# Altium PCB STM32F7_CoreBoard.PcbDoc (part 2 of 8)
Units mm, origin at the board's own origin, x right, y up, seen from the top; angles counter-clockwise.
Board outline 65 x 50 mm, 6 copper layers (L1, L2, L3, L4, L5, L6), stack 1.597 mm thick; 114 components, 192 nets, 736 pads, 791 vias.
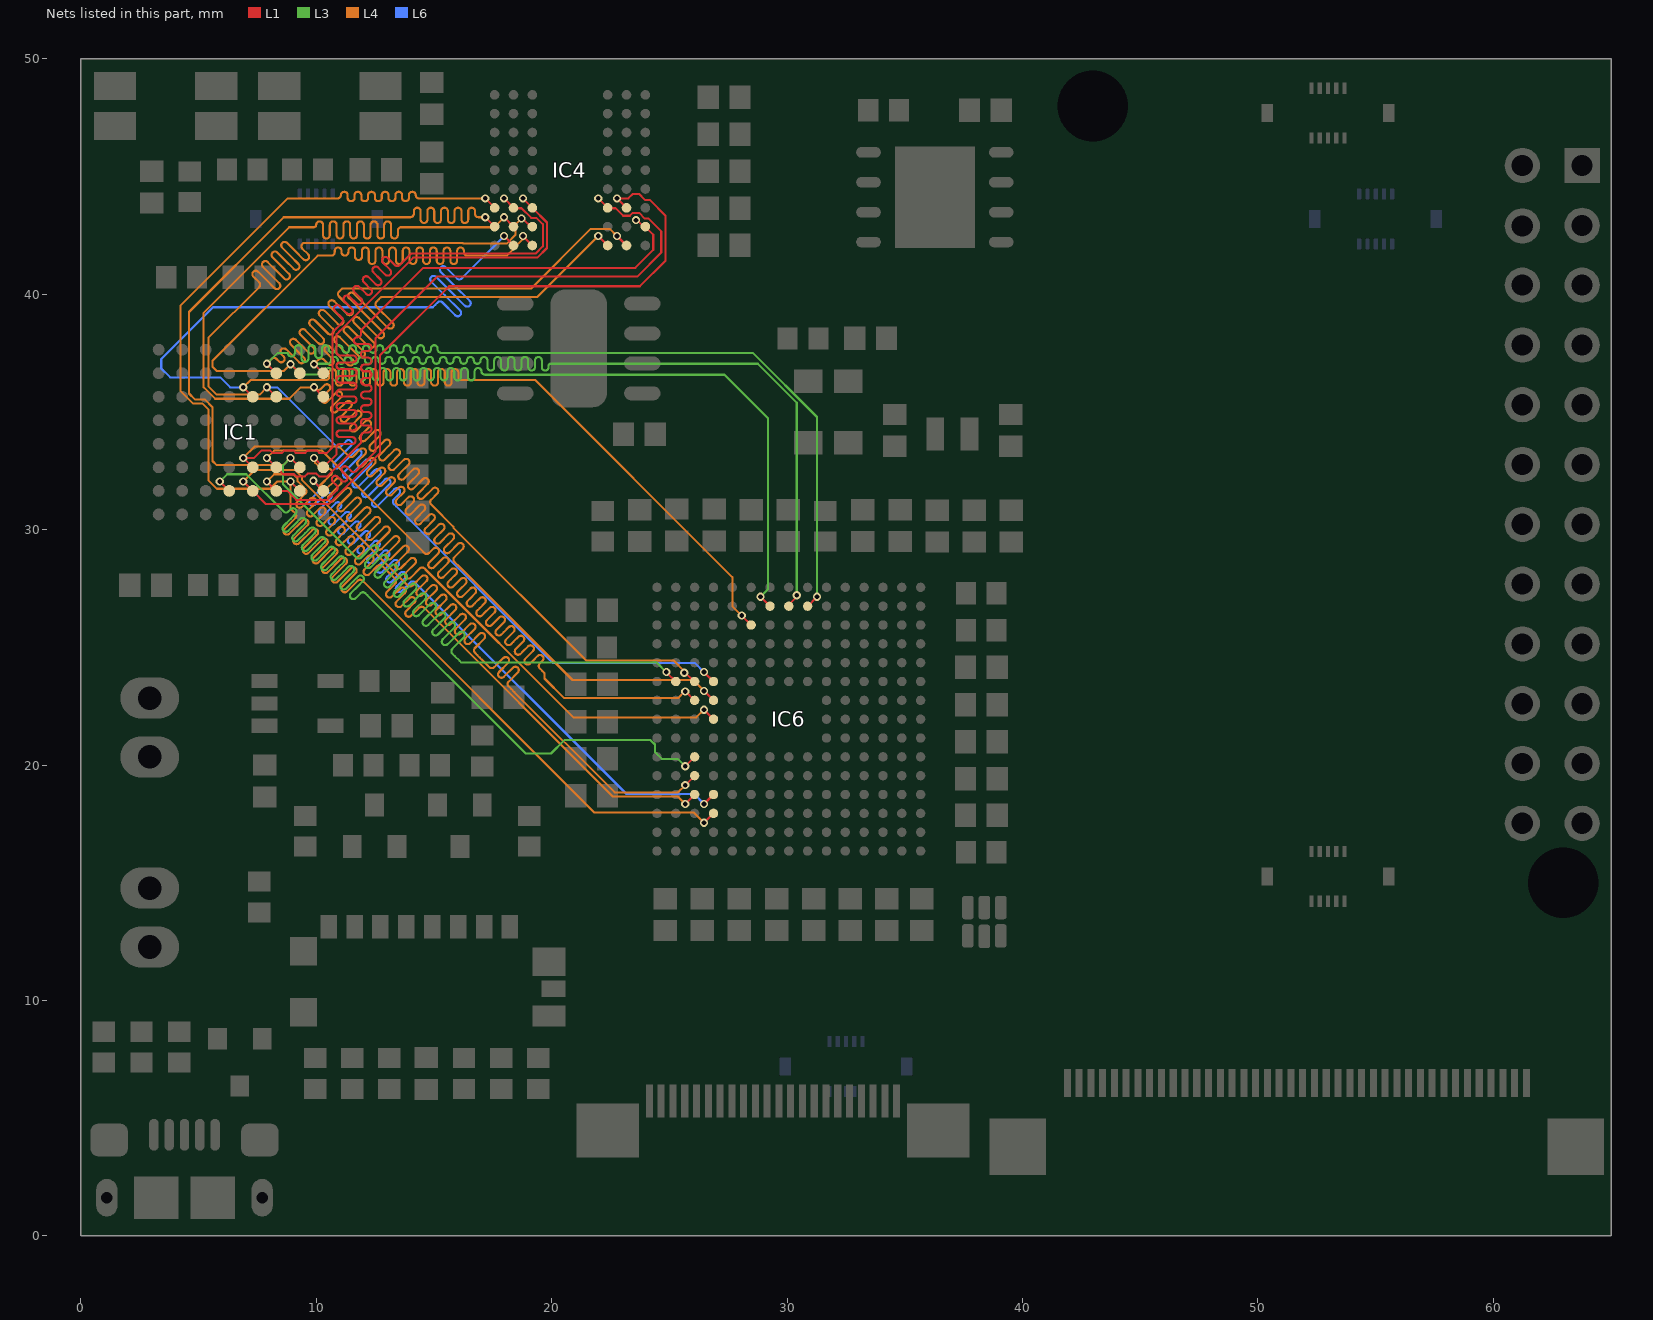
[diagram p6: the nets of this part, all layers, seen from the top]

## Via types
v1: diameter 0.35, hole 0.2, L1 to L6, tented both sides, 737 vias
v2: diameter 0.5, hole 0.25, L1 to L6, tented both sides, 20 vias
v3: diameter 0.4, hole 0.2, L1 to L6, tented both sides, 16 vias
v4: diameter 0.5, hole 0.2, L1 to L6, 12 vias
v5: diameter 0.5, hole 0.5, L1 to L6, 4 vias
v6: diameter 0.6, hole 0.3, L1 to L6, tented both sides, 2 vias

## Nets (pads, with @x,y where several pads share a name; then routed paths per layer and width w, separated by ;. In a path a pad name is that pad's centre, name@x,y a point inside that pad or via, vN(x,y) a via of type N, cw(c..) or ccw(c..) an arc to the next point about the centre after c; other vN are vias at no path point) (continued)
A2: IC1.C2 IC4.J8 IC6.G2 | length 69.2
  L1 w0.089: v1(7.9,37.05) IC1.C2@8.3,36.65 ; v1(22.775,42.475) IC4.J8@23.175,42.075 ; IC6.G2@30.87,26.753 v1(31.27,27.153)
  L3 w0.089: v1(7.9,37.05) 8.365,37.515 8.509,37.515 8.798,37.515 8.798,37.501 ccw(c8.942,37.501) 8.942,37.356 ccw(c8.942,37.501) 9.087,37.501 9.087,37.515 9.087,37.692 cw(c9.231,37.692) 9.231,37.837 cw(c9.231,37.692) 9.376,37.692 9.376,37.515 9.376,37.273 ccw(c9.52,37.273) 9.52,37.128 ccw(c9.52,37.273) 9.665,37.273 9.665,37.515 9.665,37.692 cw(c9.809,37.692) 9.809,37.837 cw(c9.809,37.692) 9.954,37.692 9.954,37.515 9.954,37.434 ccw(c10.098,37.434) 10.098,37.29 ccw(c10.098,37.434) 10.243,37.434 10.243,37.515 10.243,37.692 cw(c10.387,37.692) 10.387,37.837 cw(c10.387,37.692) 10.531,37.692 10.531,37.659 ccw(c10.676,37.659) 10.676,37.515 ccw(c10.676,37.659) 10.82,37.659 10.82,37.692 cw(c10.965,37.692) 10.965,37.837 cw(c10.965,37.692) 11.109,37.692 11.109,37.659 ccw(c11.254,37.659) 11.254,37.515 ccw(c11.254,37.659) 11.398,37.659 11.398,37.692 cw(c11.543,37.692) 11.543,37.837 cw(c11.543,37.692) 11.687,37.692 11.687,37.659 ccw(c11.831,37.659) 11.831,37.515 ccw(c11.831,37.659) 11.976,37.659 11.976,37.692 cw(c12.12,37.692) 12.12,37.837 cw(c12.12,37.692) 12.265,37.692 12.265,37.659 ccw(c12.409,37.659) 12.409,37.515 ccw(c12.409,37.659) 12.554,37.659 12.554,37.692 cw(c12.698,37.692) 12.698,37.837 cw(c12.698,37.692) 12.843,37.692 12.843,37.659 ccw(c12.987,37.659) 12.987,37.515 ccw(c12.987,37.659) 13.132,37.659 13.132,37.692 cw(c13.276,37.692) 13.276,37.837 cw(c13.276,37.692) 13.42,37.692 13.42,37.659 ccw(c13.565,37.659) 13.565,37.515 ccw(c13.565,37.659) 13.709,37.659 13.709,37.692 cw(c13.854,37.692) 13.854,37.837 cw(c13.854,37.692) 13.998,37.692 13.998,37.659 ccw(c14.143,37.659) 14.143,37.515 ccw(c14.143,37.659) 14.287,37.659 14.287,37.692 cw(c14.432,37.692) 14.432,37.837 cw(c14.432,37.692) 14.576,37.692 14.576,37.659 ccw(c14.72,37.659) 14.72,37.515 ccw(c14.72,37.659) 14.865,37.659 14.865,37.692 cw(c15.009,37.692) 15.009,37.837 cw(c15.009,37.692) 15.154,37.692 15.154,37.659 ccw(c15.298,37.659) 15.298,37.515 15.325,37.515 28.543,37.515 31.27,34.788 v1(31.27,27.153)
  L4 w0.089: v1(7.9,37.05) 8.002,37.152 8.104,37.254 cw(c8.206,37.152) 8.309,37.254 8.408,37.155 ccw(c8.51,37.257) 8.613,37.155 ccw(c8.51,37.257) 8.613,37.359 8.513,37.459 cw(c8.615,37.561) 8.513,37.663 cw(c8.615,37.561) 8.717,37.663 9.269,37.111 ccw(c9.371,37.213) 9.473,37.111 ccw(c9.371,37.213) 9.473,37.315 8.921,37.867 cw(c9.024,37.969) 8.921,38.071 cw(c9.024,37.969) 9.126,38.071 9.677,37.52 ccw(c9.78,37.622) 9.882,37.52 ccw(c9.78,37.622) 9.882,37.724 9.33,38.276 cw(c9.432,38.378) 9.33,38.48 cw(c9.432,38.378) 9.534,38.48 10.086,37.928 ccw(c10.188,38.03) 10.29,37.928 ccw(c10.188,38.03) 10.29,38.132 9.739,38.684 cw(c9.841,38.786) 9.739,38.889 cw(c9.841,38.786) 9.943,38.889 10.495,38.337 ccw(c10.597,38.439) 10.699,38.337 ccw(c10.597,38.439) 10.699,38.541 10.147,39.093 cw(c10.249,39.195) 10.147,39.297 cw(c10.249,39.195) 10.351,39.297 10.903,38.745 ccw(c11.005,38.847) 11.107,38.745 ccw(c11.005,38.847) 11.107,38.95 10.556,39.501 cw(c10.658,39.604) 10.556,39.706 cw(c10.658,39.604) 10.76,39.706 11.312,39.154 ccw(c11.414,39.256) 11.516,39.154 ccw(c11.414,39.256) 11.516,39.358 10.964,39.91 cw(c11.066,40.012) 10.964,40.114 11.066,40.216 11.1,40.25 11.244,40.25 11.5,40.25 19.122,40.25 21.656,42.783 22.467,42.783 v1(22.775,42.475)
A3: IC1.A2 IC4.J7 IC6.H2 | length 69.3
  L1 w0.089: v1(9.9,37.027) 9.912,37.027 10.289,36.65 IC1.A2@10.3,36.65 ; v1(21.975,42.475) IC4.J7@22.375,42.075 ; IC6.H2@30.07,26.753 30.07,26.815 30.409,27.153 v1(30.409,27.215)
  L3 w0.089: v1@9.9,37.05 10.044,37.05 10.333,37.05 10.478,37.05 ccw(c10.478,37.194) 10.622,37.194 10.622,37.201 cw(c10.767,37.201) 10.767,37.346 cw(c10.767,37.201) 10.911,37.201 10.911,37.194 ccw(c11.056,37.194) 11.056,37.05 ccw(c11.056,37.194) 11.2,37.194 11.2,37.201 cw(c11.344,37.201) 11.344,37.346 cw(c11.344,37.201) 11.489,37.201 11.489,37.194 ccw(c11.633,37.194) 11.633,37.05 ccw(c11.633,37.194) 11.778,37.194 11.778,37.201 cw(c11.922,37.201) 11.922,37.346 cw(c11.922,37.201) 12.067,37.201 12.067,37.194 ccw(c12.211,37.194) 12.211,37.05 ccw(c12.211,37.194) 12.356,37.194 12.356,37.201 cw(c12.5,37.201) 12.5,37.346 cw(c12.5,37.201) 12.645,37.201 12.645,37.194 ccw(c12.789,37.194) 12.789,37.05 ccw(c12.789,37.194) 12.933,37.194 12.933,37.201 cw(c13.078,37.201) 13.078,37.346 cw(c13.078,37.201) 13.222,37.201 13.222,37.194 ccw(c13.367,37.194) 13.367,37.05 ccw(c13.367,37.194) 13.511,37.194 13.511,37.201 cw(c13.656,37.201) 13.656,37.346 cw(c13.656,37.201) 13.8,37.201 13.8,37.194 ccw(c13.945,37.194) 13.945,37.05 ccw(c13.945,37.194) 14.089,37.194 14.089,37.201 cw(c14.233,37.201) 14.233,37.346 cw(c14.233,37.201) 14.378,37.201 14.378,37.194 ccw(c14.522,37.194) 14.522,37.05 ccw(c14.522,37.194) 14.667,37.194 14.667,37.201 cw(c14.811,37.201) 14.811,37.346 cw(c14.811,37.201) 14.956,37.201 14.956,37.194 ccw(c15.1,37.194) 15.1,37.05 15.102,37.05 ccw(c15.102,37.192) 15.245,37.192 cw(c15.389,37.192) 15.389,37.337 cw(c15.389,37.192) 15.534,37.192 ccw(c15.676,37.192) 15.676,37.05 15.68,37.05 ccw(c15.68,37.192) 15.822,37.192 cw(c15.967,37.192) 15.967,37.337 cw(c15.967,37.192) 16.111,37.192 ccw(c16.254,37.192) 16.254,37.05 16.258,37.05 ccw(c16.258,37.192) 16.4,37.192 cw(c16.545,37.192) 16.545,37.337 cw(c16.545,37.192) 16.689,37.192 ccw(c16.832,37.192) 16.832,37.05 16.836,37.05 ccw(c16.836,37.192) 16.978,37.192 cw(c17.122,37.192) 17.122,37.337 cw(c17.122,37.192) 17.267,37.192 17.267,37.05 17.267,36.908 ccw(c17.411,36.908) 17.411,36.763 ccw(c17.411,36.908) 17.556,36.908 17.556,37.05 17.556,37.192 cw(c17.7,37.192) 17.7,37.337 cw(c17.7,37.192) 17.845,37.192 17.845,37.05 17.845,36.908 ccw(c17.989,36.908) 17.989,36.763 ccw(c17.989,36.908) 18.134,36.908 18.134,37.05 18.134,37.192 cw(c18.278,37.192) 18.278,37.337 cw(c18.278,37.192) 18.423,37.192 18.423,37.05 18.423,36.908 ccw(c18.567,36.908) 18.567,36.763 ccw(c18.567,36.908) 18.711,36.908 18.711,37.05 18.711,37.192 cw(c18.856,37.192) 18.856,37.337 cw(c18.856,37.192) 19,37.192 19,37.05 19,36.908 ccw(c19.145,36.908) 19.145,36.763 ccw(c19.145,36.908) 19.289,36.908 19.289,37.05 19.289,37.192 cw(c19.434,37.192) 19.434,37.337 cw(c19.434,37.192) 19.578,37.192 19.578,37.05 19.578,36.908 ccw(c19.723,36.908) 19.723,36.763 ccw(c19.723,36.908) 19.867,36.908 19.867,36.967 cw(c19.95,36.967) 19.95,37.05 28.757,37.05 30.409,35.398 v1(30.409,27.215)
  L4 w0.089: v1(9.9,37.027) 10.003,37.129 10.105,37.231 cw(c10.207,37.129) 10.309,37.231 10.498,37.042 ccw(c10.6,37.144) 10.702,37.042 ccw(c10.6,37.144) 10.702,37.246 10.411,37.538 10.382,37.567 cw(c10.484,37.669) 10.382,37.771 cw(c10.484,37.669) 10.586,37.771 10.615,37.742 11.342,37.016 ccw(c11.444,37.118) 11.546,37.016 ccw(c11.444,37.118) 11.546,37.22 10.82,37.946 10.79,37.976 cw(c10.892,38.078) 10.79,38.18 cw(c10.892,38.078) 10.994,38.18 11.024,38.15 11.816,37.358 ccw(c11.918,37.46) 12.02,37.358 ccw(c11.918,37.46) 12.02,37.563 11.228,38.355 11.199,38.384 cw(c11.301,38.486) 11.199,38.588 cw(c11.301,38.486) 11.403,38.588 11.433,38.559 12.225,37.767 ccw(c12.327,37.869) 12.429,37.767 ccw(c12.327,37.869) 12.429,37.971 11.637,38.763 11.607,38.793 cw(c11.709,38.895) 11.607,38.997 cw(c11.709,38.895) 11.812,38.997 11.841,38.967 12.633,38.175 ccw(c12.735,38.278) 12.838,38.175 ccw(c12.735,38.278) 12.838,38.38 12.045,39.172 11.392,39.826 cw(c11.494,39.928) 11.392,40.03 cw(c11.494,39.928) 11.596,40.03 12.25,39.376 13.042,38.584 ccw(c13.144,38.686) 13.246,38.584 ccw(c13.144,38.686) 13.246,38.788 12.556,39.478 cw(c12.658,39.58) 12.556,39.682 12.658,39.785 12.762,39.888 12.85,39.888 19.388,39.888 v1(21.975,42.475)
A4: IC1.B2 IC4.J3 IC6.J2 | length 68.8
  L1 w0.089: v1(8.9,37.027) 8.912,37.027 9.289,36.65 IC1.B2@9.3,36.65 ; v1(18.775,42.475) IC4.J3@19.175,42.075 ; v1(28.87,27.153) IC6.J2@29.27,26.753
  L3 w0.089: v1(8.9,37.027) 8.923,37.027 9.35,36.6 10.225,36.6 10.241,36.6 ccw(c10.241,36.728) 10.369,36.728 cw(c10.514,36.728) 10.514,36.873 cw(c10.514,36.728) 10.658,36.728 10.658,36.6 10.658,36.489 ccw(c10.803,36.489) 10.803,36.344 ccw(c10.803,36.489) 10.947,36.489 10.947,36.6 10.947,36.728 cw(c11.092,36.728) 11.092,36.873 cw(c11.092,36.728) 11.236,36.728 11.236,36.6 11.236,36.489 ccw(c11.381,36.489) 11.381,36.344 ccw(c11.381,36.489) 11.525,36.489 11.525,36.6 11.525,36.728 cw(c11.669,36.728) 11.669,36.873 cw(c11.669,36.728) 11.814,36.728 11.814,36.6 11.814,36.489 ccw(c11.958,36.489) 11.958,36.344 ccw(c11.958,36.489) 12.103,36.489 12.103,36.6 12.103,36.728 cw(c12.247,36.728) 12.247,36.873 cw(c12.247,36.728) 12.392,36.728 12.392,36.6 12.392,36.489 ccw(c12.536,36.489) 12.536,36.344 ccw(c12.536,36.489) 12.681,36.489 12.681,36.6 12.681,36.728 cw(c12.825,36.728) 12.825,36.873 cw(c12.825,36.728) 12.97,36.728 12.97,36.6 12.97,36.489 ccw(c13.114,36.489) 13.114,36.344 ccw(c13.114,36.489) 13.258,36.489 13.258,36.6 13.258,36.728 cw(c13.403,36.728) 13.403,36.873 cw(c13.403,36.728) 13.547,36.728 13.547,36.6 13.547,36.489 ccw(c13.692,36.489) 13.692,36.344 ccw(c13.692,36.489) 13.836,36.489 13.836,36.6 13.836,36.728 cw(c13.981,36.728) 13.981,36.873 cw(c13.981,36.728) 14.125,36.728 14.125,36.6 14.125,36.489 ccw(c14.27,36.489) 14.27,36.344 ccw(c14.27,36.489) 14.414,36.489 14.414,36.6 14.414,36.728 cw(c14.558,36.728) 14.558,36.873 cw(c14.558,36.728) 14.703,36.728 14.703,36.6 14.703,36.489 ccw(c14.847,36.489) 14.847,36.344 ccw(c14.847,36.489) 14.992,36.489 14.992,36.6 14.992,36.728 cw(c15.136,36.728) 15.136,36.873 cw(c15.136,36.728) 15.281,36.728 15.281,36.6 15.281,36.489 ccw(c15.425,36.489) 15.425,36.344 ccw(c15.425,36.489) 15.57,36.489 15.57,36.6 15.57,36.728 cw(c15.714,36.728) 15.714,36.873 cw(c15.714,36.728) 15.859,36.728 15.859,36.6 15.859,36.489 ccw(c16.003,36.489) 16.003,36.344 ccw(c16.003,36.489) 16.147,36.489 16.147,36.6 16.147,36.728 cw(c16.292,36.728) 16.292,36.873 cw(c16.292,36.728) 16.436,36.728 16.436,36.6 16.436,36.489 ccw(c16.581,36.489) 16.581,36.344 ccw(c16.581,36.489) 16.725,36.489 16.725,36.6 16.725,36.728 cw(c16.87,36.728) 16.87,36.873 cw(c16.87,36.728) 17.014,36.728 ccw(c17.142,36.728) 17.142,36.6 17.15,36.6 17.165,36.585 27.34,36.585 29.179,34.746 29.179,27.461 v1(28.87,27.153)
  L4 w0.089: v1(8.9,37.027) 8.615,36.742 5.772,36.742 5.592,36.922 5.592,37.178 10.059,41.645 10.203,41.645 10.492,41.645 10.637,41.645 ccw(c10.637,41.789) 10.781,41.789 10.781,41.844 cw(c10.926,41.844) 10.926,41.989 cw(c10.926,41.844) 11.07,41.844 11.07,41.789 ccw(c11.214,41.789) 11.214,41.645 ccw(c11.214,41.789) 11.359,41.789 11.359,41.844 cw(c11.503,41.844) 11.503,41.989 cw(c11.503,41.844) 11.648,41.844 11.648,41.645 11.648,41.6 ccw(c11.792,41.6) 11.792,41.455 ccw(c11.792,41.6) 11.937,41.6 11.937,41.645 11.937,41.844 cw(c12.081,41.844) 12.081,41.989 cw(c12.081,41.844) 12.226,41.844 12.226,41.645 12.226,41.431 ccw(c12.37,41.431) 12.37,41.287 ccw(c12.37,41.431) 12.515,41.431 12.515,41.645 12.515,41.844 cw(c12.659,41.844) 12.659,41.989 cw(c12.659,41.844) 12.803,41.844 12.803,41.645 12.803,41.431 ccw(c12.948,41.431) 12.948,41.287 ccw(c12.948,41.431) 13.092,41.431 13.092,41.645 13.092,41.844 cw(c13.237,41.844) 13.237,41.989 cw(c13.237,41.844) 13.381,41.844 13.381,41.645 13.381,41.431 ccw(c13.526,41.431) 13.526,41.287 ccw(c13.526,41.431) 13.67,41.431 13.67,41.645 13.67,41.844 cw(c13.815,41.844) 13.815,41.989 cw(c13.815,41.844) 13.959,41.844 13.959,41.645 13.959,41.431 ccw(c14.103,41.431) 14.103,41.287 ccw(c14.103,41.431) 14.248,41.431 14.248,41.645 14.248,41.844 cw(c14.392,41.844) 14.392,41.989 cw(c14.392,41.844) 14.537,41.844 14.537,41.645 14.537,41.431 ccw(c14.681,41.431) 14.681,41.287 ccw(c14.681,41.431) 14.826,41.431 14.826,41.645 14.826,41.844 cw(c14.97,41.844) 14.97,41.989 cw(c14.97,41.844) 15.115,41.844 15.115,41.645 15.115,41.431 ccw(c15.259,41.431) 15.259,41.287 ccw(c15.259,41.431) 15.404,41.431 15.404,41.645 15.404,41.844 cw(c15.548,41.844) 15.548,41.989 cw(c15.548,41.844) 15.692,41.844 15.692,41.645 15.692,41.431 ccw(c15.837,41.431) 15.837,41.287 ccw(c15.837,41.431) 15.981,41.431 15.981,41.645 15.981,41.844 cw(c16.126,41.844) 16.126,41.989 cw(c16.126,41.844) 16.27,41.844 16.27,41.789 ccw(c16.415,41.789) 16.415,41.645 16.55,41.645 18.084,41.645 18.775,42.336 v1(18.775,42.475)
A5: IC1.D3 IC4.J2 IC6.K3 | length 67.6
  L1 w0.089: v1(6.9,36.05) IC1.D3@7.3,35.65 ; v1(17.975,42.475) IC4.J2@18.375,42.075 ; v1(28.07,26.353) IC6.K3@28.47,25.953
  L4 w0.089: v1(6.9,36.05) 7.208,36.358 10.4,36.358 ccw(c10.4,36.503) 10.544,36.503 10.544,36.686 cw(c10.689,36.686) 10.689,36.831 cw(c10.689,36.686) 10.833,36.686 10.833,36.358 10.833,36.264 ccw(c10.978,36.264) 10.978,36.119 ccw(c10.978,36.264) 11.122,36.264 11.122,36.358 11.122,36.686 cw(c11.267,36.686) 11.267,36.831 cw(c11.267,36.686) 11.411,36.686 11.411,36.358 11.411,36.264 ccw(c11.556,36.264) 11.556,36.119 ccw(c11.556,36.264) 11.7,36.264 11.7,36.358 11.7,36.686 cw(c11.844,36.686) 11.844,36.831 cw(c11.844,36.686) 11.989,36.686 11.989,36.358 11.989,36.264 ccw(c12.133,36.264) 12.133,36.119 ccw(c12.133,36.264) 12.278,36.264 12.278,36.358 12.278,36.686 cw(c12.422,36.686) 12.422,36.831 cw(c12.422,36.686) 12.567,36.686 12.567,36.358 12.567,36.264 ccw(c12.711,36.264) 12.711,36.119 ccw(c12.711,36.264) 12.856,36.264 12.856,36.358 12.856,36.686 cw(c13,36.686) 13,36.831 cw(c13,36.686) 13.145,36.686 13.145,36.358 13.145,36.264 ccw(c13.289,36.264) 13.289,36.119 ccw(c13.289,36.264) 13.433,36.264 13.433,36.358 13.433,36.686 cw(c13.578,36.686) 13.578,36.831 cw(c13.578,36.686) 13.722,36.686 13.722,36.358 13.722,36.264 ccw(c13.867,36.264) 13.867,36.119 ccw(c13.867,36.264) 14.011,36.264 14.011,36.358 14.011,36.686 cw(c14.156,36.686) 14.156,36.831 cw(c14.156,36.686) 14.3,36.686 14.3,36.358 14.3,36.264 ccw(c14.445,36.264) 14.445,36.119 ccw(c14.445,36.264) 14.589,36.264 14.589,36.358 14.589,36.686 cw(c14.733,36.686) 14.733,36.831 cw(c14.733,36.686) 14.878,36.686 14.878,36.358 14.878,36.264 ccw(c15.022,36.264) 15.022,36.119 ccw(c15.022,36.264) 15.167,36.264 15.167,36.358 15.167,36.686 cw(c15.311,36.686) 15.311,36.831 cw(c15.311,36.686) 15.456,36.686 15.456,36.358 15.456,36.264 ccw(c15.6,36.264) 15.6,36.119 ccw(c15.6,36.264) 15.745,36.264 15.745,36.358 15.745,36.686 cw(c15.889,36.686) 15.889,36.831 cw(c15.889,36.686) 16.034,36.686 16.034,36.425 ccw(c16.1,36.425) 16.1,36.358 19.301,36.358 27.67,27.989 27.67,26.753 v1(28.07,26.353)
  L6 w0.089: v1(6.9,36.05) 6.336,36.05 5.912,36.474 3.788,36.474 3.414,36.849 3.414,37.251 5.612,39.45 14.95,39.45 15.052,39.552 15.154,39.654 cw(c15.256,39.552) 15.359,39.654 15.903,39.11 ccw(c16.005,39.212) 16.107,39.11 ccw(c16.005,39.212) 16.107,39.314 15.461,39.961 14.882,40.54 cw(c14.984,40.642) 14.882,40.744 cw(c14.984,40.642) 15.086,40.744 15.665,40.165 16.311,39.519 ccw(c16.413,39.621) 16.516,39.519 ccw(c16.413,39.621) 16.516,39.723 15.869,40.369 15.29,40.948 cw(c15.392,41.05) 15.29,41.152 cw(c15.392,41.05) 15.495,41.152 15.971,40.676 ccw(c16.074,40.778) 16.176,40.676 16.2,40.7 v1(17.975,42.475)
A6: IC1.C3 IC4.H3 IC6.M6 | length 67.6
  L1 w0.089: v1(7.9,36.05) IC1.C3@8.3,35.65 ; v1(18.718,43.218) 18.775,43.218 19.118,42.875 IC4.H3@19.175,42.875 ; v1(26.47,23.953) IC6.M6@26.87,23.553
  L4 w0.089: v1(7.9,36.05) 7.592,35.742 5.772,35.742 5.414,36.1 5.414,38.15 7.569,40.306 ccw(c7.467,40.408) 7.569,40.51 7.323,40.756 cw(c7.425,40.858) 7.323,40.96 cw(c7.425,40.858) 7.528,40.96 7.876,40.612 8.223,40.265 ccw(c8.325,40.367) 8.427,40.265 ccw(c8.325,40.367) 8.427,40.469 8.08,40.816 7.732,41.165 cw(c7.834,41.267) 7.732,41.369 cw(c7.834,41.267) 7.936,41.369 8.284,41.021 8.632,40.673 ccw(c8.734,40.776) 8.836,40.673 ccw(c8.734,40.776) 8.836,40.878 8.489,41.225 8.14,41.573 cw(c8.242,41.675) 8.14,41.777 cw(c8.242,41.675) 8.345,41.777 8.693,41.429 9.04,41.082 ccw(c9.142,41.184) 9.244,41.082 ccw(c9.142,41.184) 9.244,41.286 8.897,41.633 8.549,41.982 cw(c8.651,42.084) 8.549,42.186 cw(c8.651,42.084) 8.753,42.186 9.102,41.838 9.449,41.49 ccw(c9.551,41.593) 9.653,41.49 ccw(c9.551,41.593) 9.653,41.695 9.408,41.94 cw(c9.51,42.042) 9.408,42.144 9.445,42.181 10.926,42.181 10.926,42.173 11.415,42.173 11.424,42.181 11.503,42.181 11.503,42.173 11.993,42.173 12.001,42.181 12.081,42.181 12.081,42.173 12.659,42.173 12.659,42.181 13.237,42.181 13.237,42.173 13.727,42.173 13.735,42.181 13.815,42.181 13.815,42.173 14.304,42.173 14.313,42.181 14.392,42.181 14.392,42.173 14.882,42.173 14.89,42.181 14.97,42.181 14.97,42.173 15.46,42.173 15.468,42.181 15.548,42.181 15.548,42.173 16.038,42.173 16.046,42.181 16.126,42.181 16.126,42.173 16.226,42.173 16.233,42.167 18.103,42.167 18.456,42.52 18.456,42.956 v1(18.718,43.218)
  L6 w0.089: v1(7.9,36.05) 8.336,36.05 10.843,33.543 ccw(c10.945,33.645) 11.047,33.543 11.269,33.764 cw(c11.371,33.662) 11.473,33.764 cw(c11.371,33.662) 11.473,33.56 11.149,33.237 10.766,32.854 ccw(c10.869,32.751) 10.766,32.649 ccw(c10.869,32.751) 10.971,32.649 11.354,33.032 11.677,33.356 cw(c11.779,33.254) 11.881,33.356 cw(c11.779,33.254) 11.881,33.151 11.558,32.828 11.175,32.445 ccw(c11.277,32.343) 11.175,32.241 ccw(c11.277,32.343) 11.379,32.241 11.762,32.624 12.086,32.947 cw(c12.188,32.845) 12.29,32.947 cw(c12.188,32.845) 12.29,32.743 11.967,32.419 11.584,32.036 ccw(c11.686,31.934) 11.584,31.832 ccw(c11.686,31.934) 11.788,31.832 12.171,32.215 12.494,32.539 cw(c12.596,32.436) 12.699,32.539 cw(c12.596,32.436) 12.699,32.334 12.375,32.011 11.992,31.628 ccw(c12.094,31.526) 11.992,31.424 ccw(c12.094,31.526) 12.196,31.424 12.579,31.807 12.903,32.13 cw(c13.005,32.028) 13.107,32.13 cw(c13.005,32.028) 13.107,31.926 12.784,31.602 12.401,31.219 ccw(c12.503,31.117) 12.401,31.015 ccw(c12.503,31.117) 12.605,31.015 12.988,31.398 13.311,31.721 cw(c13.414,31.619) 13.516,31.721 cw(c13.414,31.619) 13.516,31.517 13.294,31.296 ccw(c13.397,31.194) 13.294,31.092 13.393,30.993 20.053,24.333 26.09,24.333 v1(26.47,23.953)
A7: IC1.A3 IC4.H2 IC6.N6 | length 69.1
  L1 w0.089: v1(9.9,36.05) IC1.A3@10.3,35.65 ; v1(17.975,43.275) IC4.H2@18.375,42.875 ; v1(25.626,23.926) 25.674,23.926 26.048,23.553 IC6.N6@26.07,23.553
  L4 w0.089: v1(17.975,43.275) 17.551,42.851 13.727,42.851 13.606,42.851 ccw(c13.606,42.706) 13.461,42.706 13.461,42.514 cw(c13.317,42.514) 13.317,42.369 cw(c13.317,42.514) 13.172,42.514 13.172,42.851 13.172,42.953 ccw(c13.028,42.953) 13.028,43.097 ccw(c13.028,42.953) 12.883,42.953 12.883,42.851 12.883,42.514 cw(c12.739,42.514) 12.739,42.369 cw(c12.739,42.514) 12.595,42.514 12.595,42.851 12.595,42.953 ccw(c12.45,42.953) 12.45,43.097 ccw(c12.45,42.953) 12.306,42.953 12.306,42.851 12.306,42.514 cw(c12.161,42.514) 12.161,42.369 cw(c12.161,42.514) 12.017,42.514 12.017,42.851 12.017,42.953 ccw(c11.872,42.953) 11.872,43.097 ccw(c11.872,42.953) 11.728,42.953 11.728,42.851 11.728,42.514 cw(c11.583,42.514) 11.583,42.369 cw(c11.583,42.514) 11.439,42.514 11.439,42.851 11.439,42.953 ccw(c11.294,42.953) 11.294,43.097 ccw(c11.294,42.953) 11.15,42.953 11.15,42.851 11.15,42.514 cw(c11.006,42.514) 11.006,42.369 cw(c11.006,42.514) 10.861,42.514 10.861,42.851 10.861,42.953 ccw(c10.717,42.953) 10.717,43.097 ccw(c10.717,42.953) 10.572,42.953 10.572,42.851 10.572,42.514 cw(c10.428,42.514) 10.428,42.369 cw(c10.428,42.514) 10.283,42.514 10.283,42.851 10.283,42.953 ccw(c10.139,42.953) 10.139,43.097 ccw(c10.139,42.953) 9.994,42.953 cw(c9.892,42.953) 9.892,42.851 9.85,42.851 8.852,42.851 5.214,39.213 5.214,36.049 5.699,35.564 8.85,35.564 9.336,36.05 v1(9.9,36.05) 9.975,35.975 ccw(c10.077,36.077) 10.179,35.975 10.345,36.141 cw(c10.447,36.039) 10.549,36.141 cw(c10.447,36.039) 10.549,35.936 10.281,35.669 10.252,35.64 ccw(c10.355,35.538) 10.252,35.435 ccw(c10.355,35.538) 10.457,35.435 10.486,35.464 10.852,35.831 cw(c10.954,35.729) 11.056,35.831 cw(c10.954,35.729) 11.056,35.626 10.69,35.26 10.661,35.231 ccw(c10.763,35.129) 10.661,35.027 ccw(c10.763,35.129) 10.865,35.027 10.894,35.056 11.261,35.422 cw(c11.363,35.32) 11.465,35.422 cw(c11.363,35.32) 11.465,35.218 11.099,34.851 11.07,34.823 ccw(c11.172,34.72) 11.07,34.618 ccw(c11.172,34.72) 11.274,34.618 11.303,34.647 11.669,35.014 cw(c11.771,34.911) 11.874,35.014 cw(c11.771,34.911) 11.874,34.809 11.507,34.443 11.478,34.414 ccw(c11.58,34.312) 11.478,34.21 ccw(c11.58,34.312) 11.682,34.21 11.711,34.239 12.078,34.605 cw(c12.18,34.503) 12.282,34.605 cw(c12.18,34.503) 12.282,34.401 11.916,34.034 11.887,34.005 ccw(c11.989,33.903) 11.887,33.801 ccw(c11.989,33.903) 12.091,33.801 12.12,33.83 12.486,34.196 cw(c12.589,34.094) 12.691,34.196 cw(c12.589,34.094) 12.691,33.992 12.324,33.626 12.295,33.597 ccw(c12.397,33.495) 12.295,33.393 ccw(c12.397,33.495) 12.5,33.393 12.529,33.421 12.895,33.788 cw(c12.997,33.686) 13.099,33.788 cw(c12.997,33.686) 13.099,33.584 12.733,33.217 12.704,33.188 ccw(c12.806,33.086) 12.704,32.984 ccw(c12.806,33.086) 12.908,32.984 12.937,33.013 13.304,33.379 cw(c13.406,33.277) 13.508,33.379 cw(c13.406,33.277) 13.508,33.175 13.141,32.809 13.112,32.78 ccw(c13.215,32.678) 13.112,32.575 ccw(c13.215,32.678) 13.317,32.575 13.346,32.604 13.712,32.971 cw(c13.814,32.869) 13.916,32.971 cw(c13.814,32.869) 13.916,32.766 13.55,32.4 13.521,32.371 ccw(c13.623,32.269) 13.521,32.167 ccw(c13.623,32.269) 13.725,32.167 13.754,32.196 14.121,32.562 cw(c14.223,32.46) 14.325,32.562 cw(c14.223,32.46) 14.325,32.358 13.959,31.991 13.93,31.963 ccw(c14.032,31.86) 13.93,31.758 ccw(c14.032,31.86) 14.134,31.758 14.163,31.787 14.529,32.154 cw(c14.631,32.051) 14.733,32.154 cw(c14.631,32.051) 14.733,31.949 14.367,31.583 14.338,31.554 ccw(c14.44,31.452) 14.338,31.35 ccw(c14.44,31.452) 14.542,31.35 14.571,31.379 14.938,31.745 cw(c15.04,31.643) 15.142,31.745 cw(c15.04,31.643) 15.142,31.541 14.878,31.276 ccw(c14.98,31.174) 14.878,31.072 14.912,31.038 15.822,30.128 15.822,30.082 21.46,24.444 25.178,24.444 25.626,23.997 v1(25.626,23.926)